# Altium PCB Copy of tsop_board.PcbDoc
Units mm, origin at the board's own origin, x right, y up, seen from the top; angles counter-clockwise.
Board outline 92 x 92 mm, 2 copper layers (Top Layer, Bottom Layer); 108 components, 73 nets, 302 pads, 11 vias.
Unrouted connection lines stored in the file: 77.
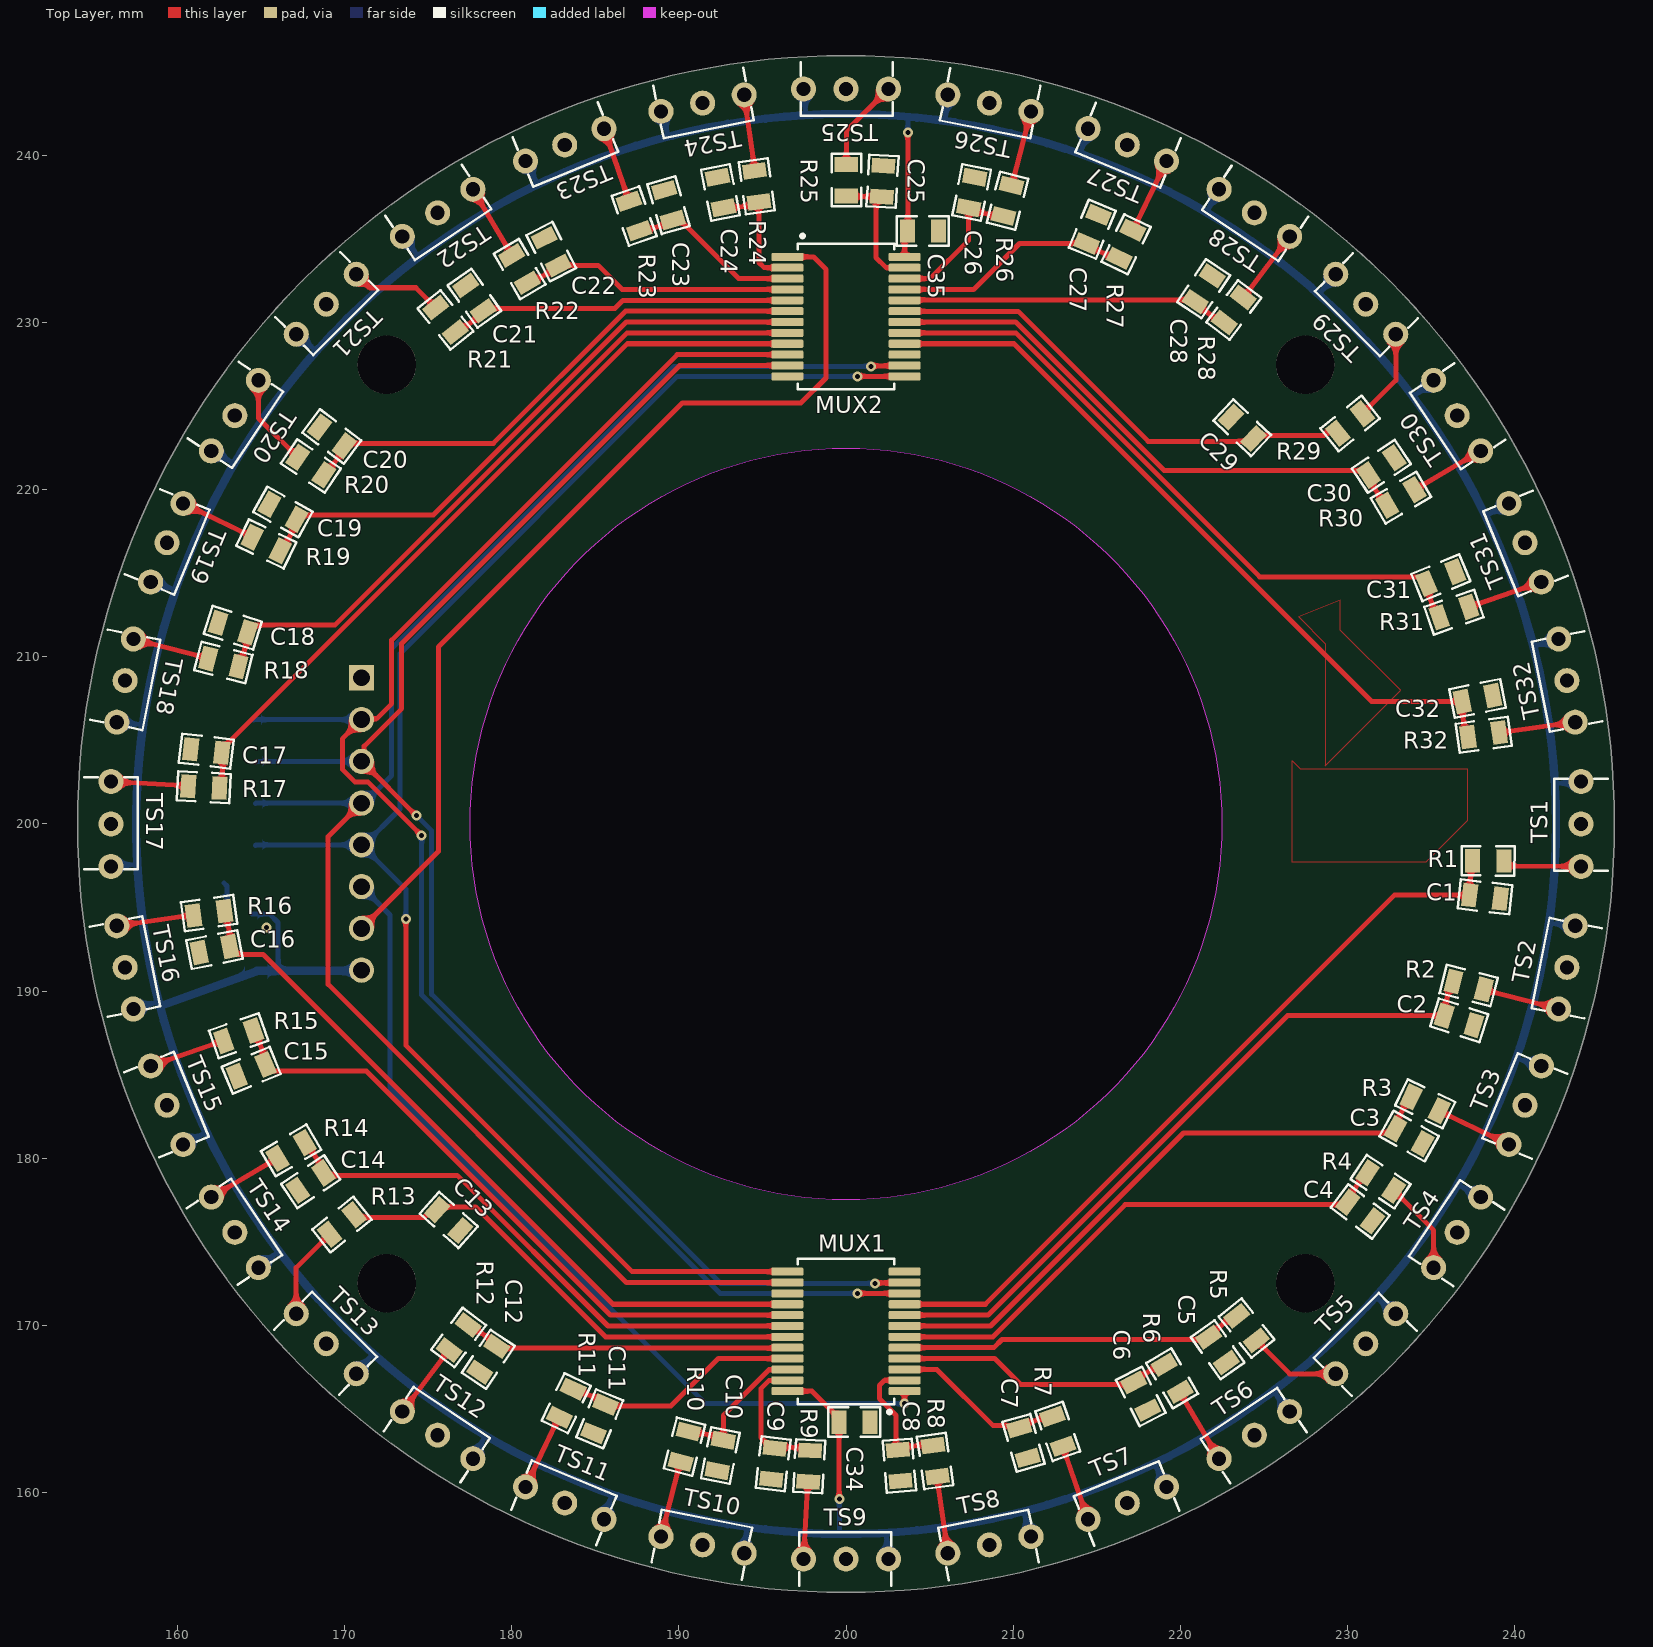
[diagram p0: Top Layer view]
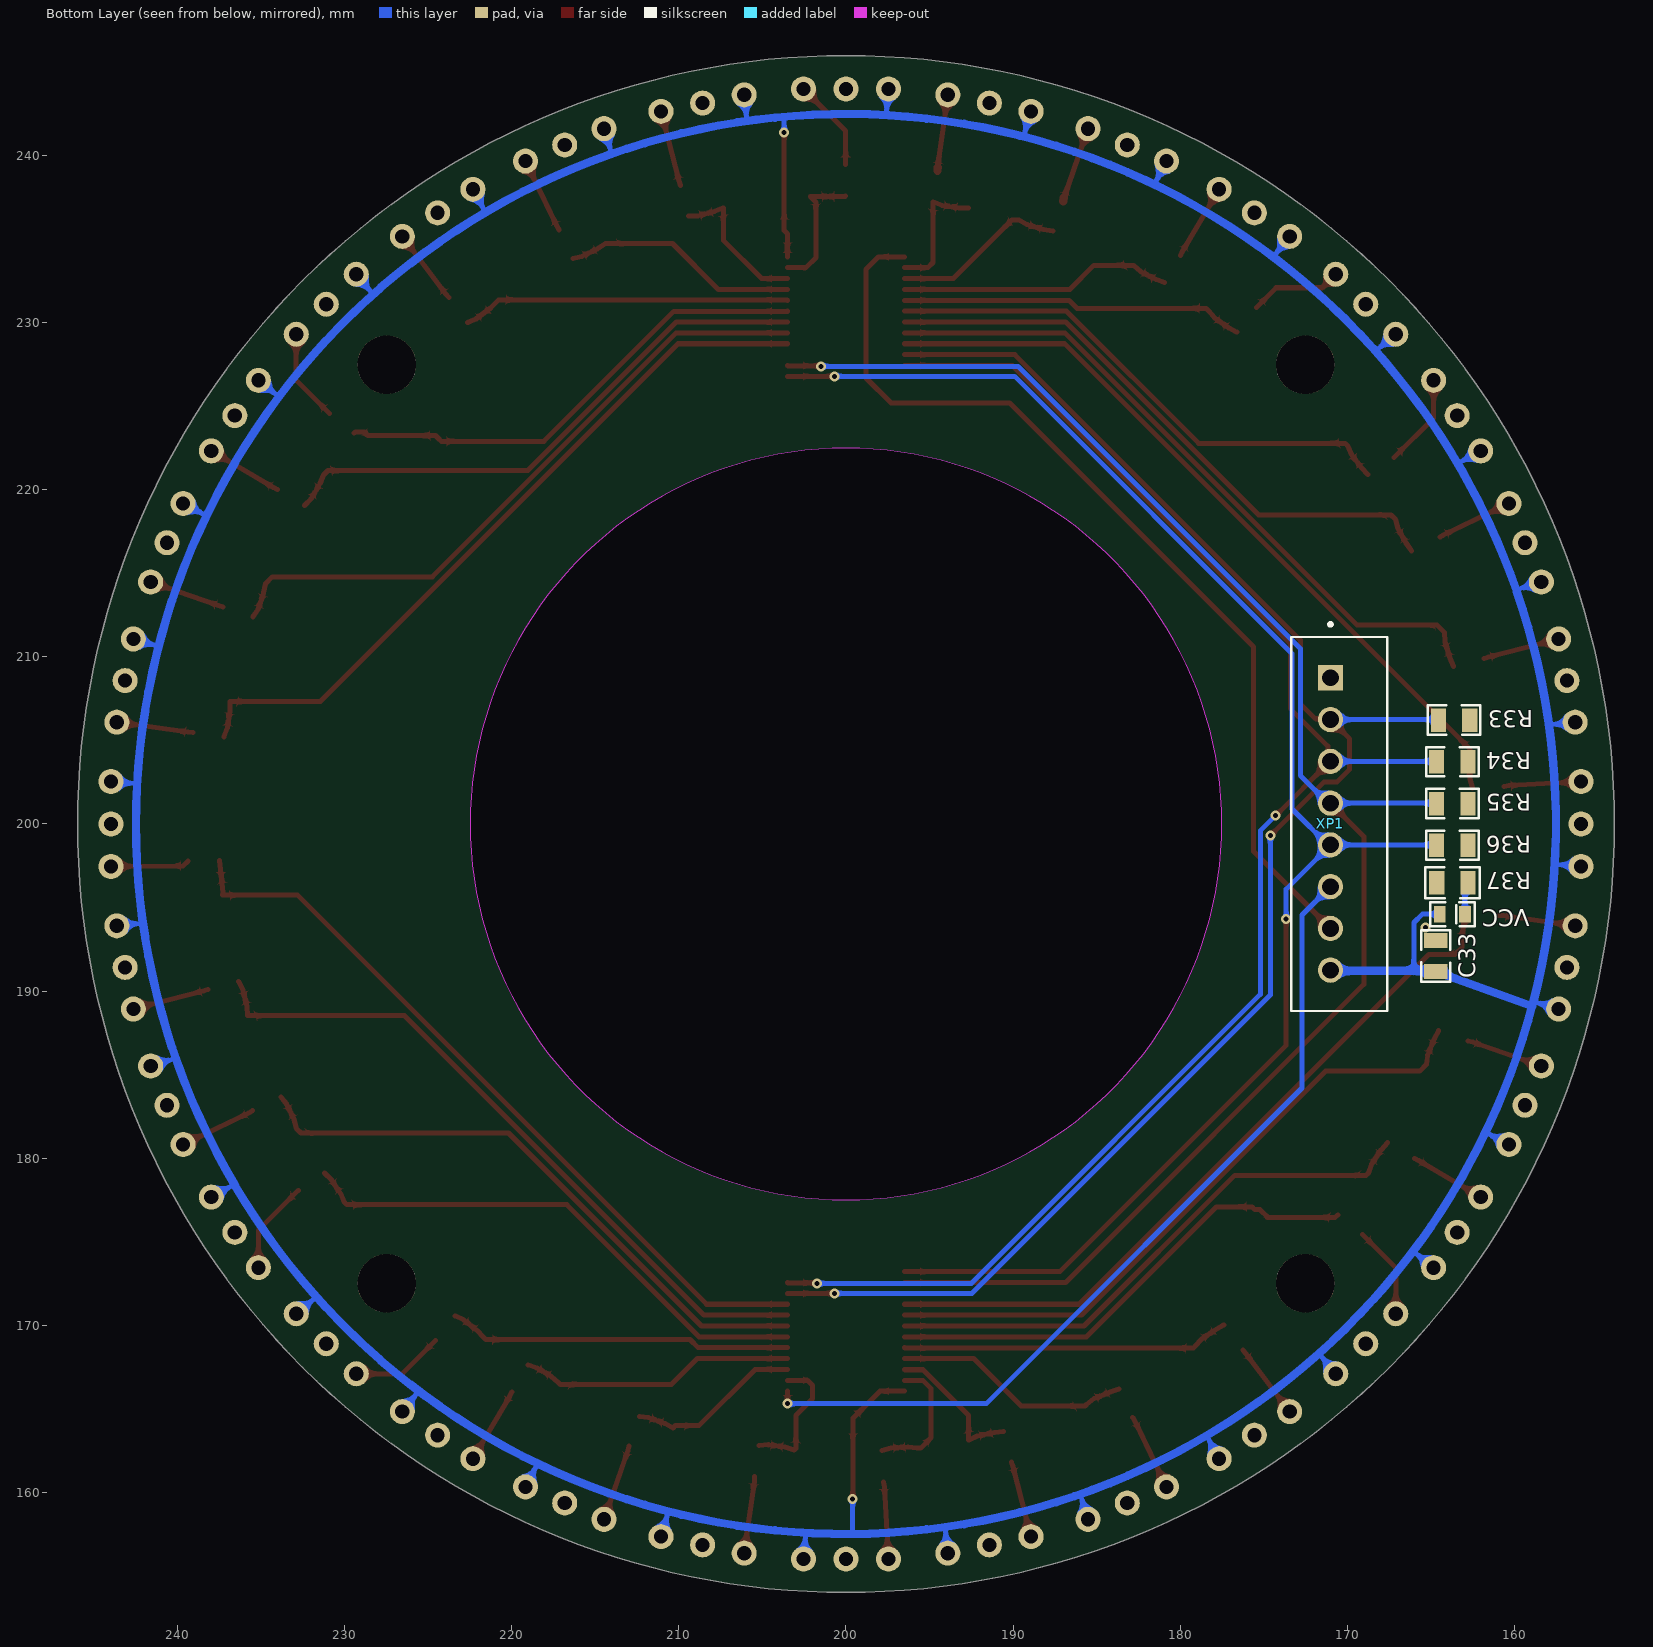
[diagram p1: Bottom Layer view, seen from below]

## Layer stack, top to bottom
Top Solder: solder mask 0.0102, Solder Resist, Dk 3.5
Top Layer: signal copper 0.0356
Dielectric 1: dielectric 0.32, FR-4, Dk 4.8
Bottom Layer: signal copper 0.0356
Bottom Solder: solder mask 0.0102, Solder Resist, Dk 3.5

## Board outline
200,154 cw(c200,200) 154,200 cw(c200,200) 200,246 cw(c200,200) 246,200 cw(c200,200)
cut-out: 200,177.5 cw(c200,200) 177.5,200 cw(c200,200) 200,222.5 cw(c200,200) 222.5,200 cw(c200,200)

## Design rules (kind name [scope] priority, off if disabled: settings)
BoardOutlineClearance [All] p1: gap=0.25 ignorepadtopadclearanceinfootprint=FALSE
Clearance Clearance_MultiLayerPad [OnLayer('Multi-Layer') and IsPad] p1: gap=0.25 ignorepadtopadclearanceinfootprint=FALSE except(0: Arc-Hole Track-Hole SMDPad-Hole THPad-Hole Via-Hole Fill-Hole Poly-Hole Region-Hole Text-Hole)
Clearance Clearance_Polygon [InPolygon] p2 off: gap=0.2 ignorepadtopadclearanceinfootprint=FALSE except(0: Arc-Hole Track-Hole SMDPad-Hole THPad-Hole Via-Hole Fill-Hole Poly-Hole Region-Hole Text-Hole)
Clearance [All] p3: gap=0.15 ignorepadtopadclearanceinfootprint=FALSE except(0: Arc-Hole Track-Hole SMDPad-Hole THPad-Hole Via-Hole Fill-Hole Poly-Hole Region-Hole Text-Hole)
ComponentClearance [All] p1 off: gap=0 collisioncheckmode=3 verticalgap=2540 showdistances=TRUE
Height [All] p1 off: minheight=0 maxheight=25.4 prefheight=12.7
HoleSize [All] p1: absolutevalues=TRUE maxlimit=6.3 minlimit=0.2 maxpercent=80.000 minpercent=20.000
HoleToHoleClearance HoleToHoleClearanceVia [IsVia vs IsVia] p1: gap=0.254 allowstackedmicrovias=TRUE
HoleToHoleClearance [All] p2: gap=0.5 allowstackedmicrovias=TRUE
MinimumAnnularRing MinimumAnnularRingVia [IsVia] p1: minimumring=0.15
MinimumAnnularRing [All] p2: minimumring=0.25
MinimumSolderMaskSliver [All] p1: minsoldermaskwidth=0.244
PlaneClearance [All] p1: clearance=0.5
PlaneConnect [All] p1: planeconnectstyle=Relief reliefexpansion=0.5 reliefentries=4 reliefconductorwidth=0.3 reliefairgap=0.2
PolygonConnect PolygonConnect_Power [InPadClass('power')] p1: connectstyle=Relief reliefconductorwidth=0.9 reliefentries=4 polygonreliefangle="90 Angle" airgapwidth=0.2
PolygonConnect [All] p2: thpad.connectstyle=Relief thpad.reliefconductorwidth=0.3 thpad.reliefentries=4 thpad.polygonreliefangle="90 Angle" thpad.airgapwidth=0.2 smdpad.connectstyle=Relief smdpad.reliefconductorwidth=0.3 smdpad.reliefentries=4 smdpad.polygonreliefangle="90 Angle" smdpad.airgapwidth=0.2 via.connectstyle=Direct via.reliefconductorwidth=0.3 via.reliefentries=4 via.polygonreliefangle="90 Angle" via.airgapwidth=0.2
RoutingVias [All] p1: holewidth=0.3 width=0.6 viastyle="Through Hole" minholewidth=0.3 minwidth=0.6 maxholewidth=0.5 maxwidth=1.5
SilkToSilkClearance [All] p1: silktosilkclearance=0.2
SilkToSolderMaskClearance [IsPad] p1: minsilkscreentomaskgap=0.15 clearancetoexposedcopper=TRUE
SolderMaskExpansion [All] p1: expansion=0.05 istentingtop=FALSE
UnRoutedNet [All] p1: checkbadconnections=TRUE
Width [All] p1: maxlimit=10 minlimit=0.15 preferedwidth=0.3
20 further rules are at their usual default settings.

## Components (designator, comment, footprint, x,y, rotation, side; value= is the part's Value field where it differs from the comment)
C1 "0.1uF" CAP0805 238.253,195.642 r173.5 top
C2 "0.1uF" CAP0805 236.705,188.251 r162.25 top
C3 "0.1uF" CAP0805 233.708,181.315 r151 top
C4 "0.1uF" CAP0805 230.779,176.806 r143 top
C5 "0.1uF" CAP0805 222.243,168.527 r125.25 top
C6 "0.1uF" CAP0805 217.646,165.737 r117.26 top
C7 "0.1uF" CAP0805 210.623,162.953 r106 top
C8 "0.1uF" CAP0805 203.191,161.592 r94.75 top
C9 "0.1uF" CAP0805 195.637,161.708 r83.5 top
C10 "0.1uF" CAP0805 192.481,162.201 r78.75 top
C11 "0.1uF" CAP0805 185.251,164.394 r67.5 top
C12 "0.1uF" CAP0805 178.588,167.955 r56.25 top
C13 "0.1uF" CAP0805 176.225,176.296 r138.09 top
C14 "0.1uF" CAP0805 167.955,178.588 r33.75 top
C15 "0.1uF" CAP0805 164.394,185.251 r22.5 top
C16 "0.1uF" CAP0805 162.201,192.481 r11.25 top
C17 "0.1uF" CAP0805 161.708,204.363 r353.5 top
C18 "0.1uF" CAP0805 163.295,211.749 r342.25 top
C19 "0.1uF" CAP0805 166.292,218.685 r331 top
C20 "0.1uF" CAP0805 169.221,223.194 r323 top
C21 "0.1uF" CAP0805 177.757,231.473 r305.25 top
C22 "0.1uF" CAP0805 182.354,234.263 r297.25 top
C23 "0.1uF" CAP0805 189.377,237.047 r286 top
C24 "0.1uF" CAP0805 192.481,237.799 r281.25 top
C25 "0.1uF" CAP0805 202.185,238.478 r266.75 top
C26 "0.1uF" CAP0805 207.519,237.799 r258.75 top
C27 "0.1uF" CAP0805 214.749,235.606 r247.5 top
C28 "0.1uF" CAP0805 221.412,232.045 r236.25 top
C29 "0.1uF" CAP0805 223.716,223.716 r316.59 top
C30 "0.1uF" CAP0805 232.045,221.412 r213.75 top
C31 "0.1uF" CAP0805 235.606,214.749 r202.5 top
C32 "0.1uF" CAP0805 237.799,207.519 r191.25 top
C33 "0.1uF" CAP0805 164.7,192.1 r270 bottom
C34 "0.1uF" CAP0805 200.5,164.2 r180 top
C35 "0.1uF" CAP0805 204.6,235.5 r180 top
MUX1 "CD74HC4067SM96" SSOP-24 200,169.5 r180 top
MUX2 "CD74HC4067SM96" SSOP-24 200,230.5 r0 top
R1 "10K" RES0805 238.438,197.817 r359.54 top
R2 "10K" RES0805 237.274,190.36 r345.5 top
R3 "10K" RES0805 234.677,183.274 r334.25 top
R4 "10K" RES0805 232.012,178.611 r326.25 top
R5 "10K" RES0805 223.992,169.838 r308.5 top
R6 "10K" RES0805 219.54,166.827 r300.47 top
R7 "10K" RES0805 212.693,163.653 r289.25 top
R8 "10K" RES0805 205.358,161.875 r278 top
R9 "10K" RES0805 197.817,161.562 r266.75 top
R10 "10K" RES0805 190.36,162.726 r255.5 top
R11 "10K" RES0805 183.274,165.323 r244.25 top
R12 "10K" RES0805 176.83,169.253 r233 top
R13 "10K" RES0805 169.838,176.008 r218.5 top
R14 "10K" RES0805 166.793,180.439 r210.5 top
R15 "10K" RES0805 163.653,187.307 r199.25 top
R16 "10K" RES0805 161.875,194.642 r188 top
R17 "10K" RES0805 161.562,202.183 r176.75 top
R18 "10K" RES0805 162.726,209.64 r165.5 top
R19 "10K" RES0805 165.287,216.744 r154.25 top
R20 "10K" RES0805 167.955,221.412 r146.25 top
R21 "10K" RES0805 176.008,230.162 r128.53 top
R22 "10K" RES0805 180.439,233.207 r120.5 top
R23 "10K" RES0805 187.294,236.385 r109.25 top
R24 "10K" RES0805 194.636,238.165 r98 top
R25 "10K" RES0805 200,238.54 r90 top
R26 "10K" RES0805 209.65,237.312 r75.5 top
R27 "10K" RES0805 216.744,234.713 r64.25 top
R28 "10K" RES0805 223.194,230.779 r53 top
R29 "10K" RES0805 230.162,223.992 r38.53 top
R30 "10K" RES0805 233.207,219.561 r30.5 top
R31 "10K" RES0805 236.385,212.706 r19.22 top
R32 "10K" RES0805 238.165,205.364 r8 top
R33 "10K" RES0805 163.6,206.2 r0 bottom
R34 "10K" RES0805 163.7,203.7 r0 bottom
R35 "10K" RES0805 163.7,201.2 r0 bottom
R36 "10K" RES0805 163.7,198.7 r0 bottom
R37 "4.7K" RES0805 163.7,196.5 r180 bottom
TS1 "TSSP58038" "TSSP58038 (clear)" 244,200 r90 top
TS2 "TSSP58038" "TSSP58038 (clear)" 243.155,191.416 r78.75 top
TS3 "TSSP58038" "TSSP58038 (clear)" 240.651,183.162 r67.5 top
TS4 "TSSP58038" "TSSP58038 (clear)" 236.585,175.555 r56.25 top
TS5 "TSSP58038" "TSSP58038 (clear)" 231.113,168.887 r45 top
TS6 "TSSP58038" "TSSP58038 (clear)" 224.445,163.415 r33.75 top
TS7 "TSSP58038" "TSSP58038 (clear)" 216.838,159.349 r22.5 top
TS8 "TSSP58038" "TSSP58038 (clear)" 208.584,156.845 r11.25 top
TS9 "TSSP58038" "TSSP58038 (clear)" 200,156 r0 top
TS10 "TSSP58038" "TSSP58038 (clear)" 191.416,156.845 r348.75 top
TS11 "TSSP58038" "TSSP58038 (clear)" 183.162,159.349 r337.5 top
TS12 "TSSP58038" "TSSP58038 (clear)" 175.555,163.415 r326.25 top
TS13 "TSSP58038" "TSSP58038 (clear)" 168.887,168.887 r315 top
TS14 "TSSP58038" "TSSP58038 (clear)" 163.415,175.555 r303.75 top
TS15 "TSSP58038" "TSSP58038 (clear)" 159.349,183.162 r292.5 top
TS16 "TSSP58038" "TSSP58038 (clear)" 156.845,191.416 r281.25 top
TS17 "TSSP58038" "TSSP58038 (clear)" 156,200 r270 top
TS18 "TSSP58038" "TSSP58038 (clear)" 156.845,208.584 r258.75 top
TS19 "TSSP58038" "TSSP58038 (clear)" 159.349,216.838 r247.5 top
TS20 "TSSP58038" "TSSP58038 (clear)" 163.415,224.445 r236.25 top
TS21 "TSSP58038" "TSSP58038 (clear)" 168.887,231.113 r225 top
TS22 "TSSP58038" "TSSP58038 (clear)" 175.555,236.585 r213.75 top
TS23 "TSSP58038" "TSSP58038 (clear)" 183.162,240.651 r202.5 top
TS24 "TSSP58038" "TSSP58038 (clear)" 191.416,243.155 r191.25 top
TS25 "TSSP58038" "TSSP58038 (clear)" 200,244 r180 top
TS26 "TSSP58038" "TSSP58038 (clear)" 208.584,243.155 r168.75 top
TS27 "TSSP58038" "TSSP58038 (clear)" 216.838,240.651 r157.5 top
TS28 "TSSP58038" "TSSP58038 (clear)" 224.445,236.585 r146.25 top
TS29 "TSSP58038" "TSSP58038 (clear)" 231.113,231.113 r135 top
TS30 "TSSP58038" "TSSP58038 (clear)" 236.585,224.445 r123.75 top
TS31 "TSSP58038" "TSSP58038 (clear)" 240.651,216.838 r112.5 top
TS32 "TSSP58038" "TSSP58038 (clear)" 243.155,208.584 r101.25 top
VCC "12V" LED0603_GREEN 163.7,194.6 r0 bottom (schematic designator HL1)
XP1 "TSOP Board" JST_XH-8 170.983,200 r270 bottom

## Footprints (in the part's own frame and the unit in brackets; to place one, negate y for a bottom-side part, rotate by r counter-clockwise, add the part's x,y. Pads: shape width x height; smd on the part's side, far side on the other; paste and mask are expansions set on the pad)
CAP0805 [mm] "SMD ceramic capacitor 0805"
  rect 0.9x1.397 smd: 1(-0.929,0.006) 2(0.931,0.006)
  silkscreen extent -1.55,-0.88 1.55,0.88, body extent -1,-0.63 1,0.62, height 1.24
JST_XH-8 [mm] "JST_B8B-XH-A(LF)(SN)"
  rect 1.508x1.508 hole 1: 1(-8.75,-0.017)
  round 1.508 hole 1: 2(-6.25,-0.017) 3(-3.75,-0.017) 4(-1.25,-0.017) 5(1.25,-0.017) 6(3.75,-0.017) 7(6.25,-0.017) 8(8.75,-0.017)
  silkscreen extent -12.05,-2.37 11.2,3.38, body extent -11.2,-2.37 11.2,3.38, height 7
LED0603_GREEN [mm] "Green SMD LED"
  rect 0.7x1 smd: 1(-0.75,0) 2(0.75,0)
  silkscreen extent -1.33,-0.73 1.33,0.73, body extent -0.8,-0.4 0.8,0.4, height 0.6
RES0805 [mm] "SMD resistor 0805"
  rect 0.9x1.397 smd: 1(-0.938,-0.02) 2(0.942,-0.02)
  silkscreen extent -1.58,-0.9 1.58,0.85, body extent -1,-0.63 1,0.62, height 0.5
SSOP-24 [mm] "CD74HC4067SM96"
  rrect25% 1.9x0.48 smd: 1(-3.505,3.448) 2(-3.505,2.798) 3(-3.505,2.148) 4(-3.505,1.498) 5(-3.505,0.848) 6(-3.505,0.198) 7(-3.505,-0.452) 8(-3.505,-1.102) 9(-3.505,-1.752) 10(-3.505,-2.402) 11(-3.505,-3.052) 12(-3.505,-3.702) 13(3.505,-3.702) 14(3.505,-3.052) 15(3.505,-2.402) 16(3.505,-1.752) 17(3.505,-1.102) 18(3.505,-0.452) 19(3.505,0.198) 20(3.505,0.848) 21(3.505,1.498) 22(3.505,2.148) 23(3.505,2.798) 24(3.505,3.448)
  silkscreen extent -2.9,-4.48 2.9,4.8, body extent -3.9,-4.29 3.9,3.91, height 2
"TSSP58038 (clear)" [mm]
  round 1.5 hole 0.85: 1(2.54,0) 2(0,0) 3(-2.54,0)
  silkscreen extent -2.8,-1.6 2.7,1.6, body extent -2.58,-3.4 2.5,1.4, height 12

## Part data
C1 C2 C3 C4 C5 C6 C7 C8 C9 C10 C11 C12 C13 C14 C15 C16 C17 C18 C19 C20 C21 C22 C23 C24 C25 C26 C27 C28 C29 C30 C31 C32 C33 C34 C35: library part "CAP Ceramic", "Ceramic SMD Cap"
MUX1 MUX2: "16-channel multiplexer", ComponentLink1Description=Chipdip, ComponentLink1URL=https://www.chipdip.ru/product0/8016170563
R1 R2 R3 R4 R5 R6 R7 R8 R9 R10 R11 R12 R13 R14 R15 R16 R17 R18 R19 R20 R21 R22 R23 R24 R25 R26 R27 R28 R29 R30 R31 R32 R33 R34 R35 R36 R37: library part RES, "RES smd"
TS1 TS2 TS3 TS4 TS5 TS6 TS7 TS8 TS9 TS10 TS11 TS12 TS13 TS14 TS15 TS16 TS17 TS18 TS19 TS20 TS21 TS22 TS23 TS24 TS25 TS26 TS27 TS28 TS29 TS30 TS31 TS32: "TSOP TSSP58038"
VCC: library part LED, "LED smd"
XP1: library part JST-XH-8, "JST_B8B-XH-A(LF)(SN)"

## Free pads (board coordinates)
  round 3.5 hole 3.5: 1(172.509,172.509) 1(172.509,227.491) 1(227.491,172.509) 1(227.491,227.491)

## Via types
v1: diameter 0.6, hole 0.3, Top Layer to Bottom Layer, tented both sides, 10 vias
v2: diameter 0.6, hole 0.3, Top Layer to Bottom Layer, tented top, 1 vias

## Nets (pads, with @x,y where several pads share a name; then routed paths per layer and width w, separated by ;. In a path a pad name is that pad's centre, name@x,y a point inside that pad or via, vN(x,y) a via of type N, cw(c..) or ccw(c..) an arc to the next point about the centre after c; other vN are vias at no path point)
GND: C1.1 C2.1 C3.1 C4.1 C5.1 C6.1 C7.1 C8.1 C9.1 C10.1 C11.1 C12.1 C13.1 C14.1 C15.1 C16.1 C17.1 C18.1 C19.1 C20.1 C21.1 C22.1 C23.1 C24.1 C25.1 C26.1 C27.1 C28.1 C29.1 C30.1 C31.1 C32.1 C33.1 C34.1 C35.1 MUX1.12 MUX1.15 MUX2.12 MUX2.15 R33.1 R34.1 R35.1 R36.1 R37.1 TS1.2 TS2.2 TS3.2 TS4.2 TS5.2 TS6.2 TS7.2 TS8.2 TS9.2 TS10.2 TS11.2 TS12.2 TS13.2 TS14.2 TS15.2 TS16.2 TS17.2 TS18.2 TS19.2 TS20.2 TS21.2 TS22.2 TS23.2 TS24.2 TS25.2 TS26.2 TS27.2 TS28.2 TS29.2 TS30.2 TS31.2 TS32.2 XP1.1
  other v2: 165.3,193.8
IN1: MUX1.10 MUX2.10 R33.2 XP1.2 | length 98.9
  Top Layer w0.3: v1(174.6,199.3) 171.4,202.5 170.618,202.5 169.846,203.272 169.846,205.096 171.054,206.304 171.904,206.304 172.8,207.2 172.8,211 189.898,228.098 MUX2.10 ; v1(200.7,171.899) 203.502,171.899 MUX1.10
  Bottom Layer w0.3: R33.2 164.572,206.25 XP1.2 ; v1(174.6,199.3) 174.6,189.764 192.464,171.899 v1(200.7,171.899)
IN2: MUX1.11 MUX2.11 R34.2 XP1.3 | length 95.6
  Top Layer w0.3: v1(174.3,200.5) 174.275,200.5 171.025,203.75 XP1.3 171.154,203.904 171.154,204.654 173.4,206.9 173.4,210.8 190.048,227.448 MUX2.11 ; v1(201.734,172.499) 201.76,172.526 203.479,172.526 MUX1.11
  Bottom Layer w0.3: R34.2 164.672,203.75 XP1.3 ; v1(174.3,200.5) 175.2,199.6 175.2,189.8 192.501,172.499 v1(201.734,172.499)
IN3: MUX1.14 MUX2.14 R35.2 XP1.4 | length 100.8
  Top Layer w0.3: XP1.4 169,199.25 169,190.4 186.848,172.552 MUX1.14 ; v1(201.5,227.4) 201.524,227.424 203.481,227.424 MUX2.14
  Bottom Layer w0.3: R35.2 164.672,201.25 XP1.4 ; XP1.4@171,201.1 172.8,202.9 172.8,210.5 189.7,227.4 v1(201.5,227.4)
IN4: MUX1.13 MUX2.13 R36.2 XP1.5 | length 97.5
  Top Layer w0.3: v1(173.65,194.31) 173.65,186.75 187.198,173.202 MUX1.13 ; v1(200.7,226.8) 200.702,226.798 MUX2.13
  Bottom Layer w0.3: R36.2 164.672,198.75 XP1.5 XP1.5@171.075,198.675 ; v1(173.65,194.31) 173.65,196.1 XP1.5@171.075,198.675 ; v1(200.7,226.8) 189.9,226.8 173.3,210.2 173.3,200.9 XP1.5@171.075,198.675
NetHL1_1: R37.2 VCC.1 | length 2
  Bottom Layer w0.3: R37.2 162.95,196.288 VCC.1
NetR1_2: R1.2 TS1.3 | length 4.7
  Top Layer w0.3: R1.2 239.678,197.495 TS1.3
NetR2_2: R2.2 TS2.3 | length 4.6
  Top Layer w0.3: R2.2 238.466,190.009 TS2.3
NetR3_2: R3.2 TS3.3 | length 4.6
  Top Layer w0.3: R3.2 235.778,182.697 TS3.3
NetR4_2: R4.2 TS4.3 | length 5.6
  Top Layer w0.3: R4.2 235.174,175.681 TS4.3
NetR5_2: R5.2 TS5.3 | length 5.6
  Top Layer w0.3: R5.2 226.56,167.091 TS5.3
NetR6_2: R6.2 TS6.3 | length 4.6
  Top Layer w0.3: R6.2 220.137,165.737 TS6.3
NetR7_2: R7.2 TS7.3 | length 4.6
  Top Layer w0.3: R7.2 213.064,162.466 TS7.3
NetR8_2: R8.2 TS8.3 | length 4.6
  Top Layer w0.3: R8.2 205.49,160.639 TS8.3
NetR9_2: R9.2 TS9.3 | length 4.6
  Top Layer w0.3: TS9.3 197.706,160.324 R9.2
NetR10_2: R10.2 TS10.3 | length 4.6
  Top Layer w0.3: TS10.3 190.009,161.534 R10.2
NetR11_2: R11.2 TS11.3 | length 4.6
  Top Layer w0.3: TS11.3 182.697,164.222 R11.2
NetR12_2: R12.2 TS12.3 | length 4.6
  Top Layer w0.3: TS12.3 176.049,168.285 R12.2
NetR13_2: R13.2 TS13.3 | length 5.6
  Top Layer w0.3: TS13.3 167.091,173.44 R13.2
NetR14_2: R14.2 TS14.3 | length 4.6
  Top Layer w0.3: TS14.3 165.701,179.845 R14.2
NetR15_2: R15.2 TS15.3 | length 4.6
  Top Layer w0.3: TS15.3 162.466,186.936 R15.2
NetR16_2: R16.2 TS16.3 | length 4.6
  Top Layer w0.3: TS16.3 160.639,194.51 R16.2
NetR17_2: R17.2 TS17.3 | length 4.6
  Top Layer w0.3: TS17.3 160.324,202.294 R17.2
NetR18_2: R18.2 TS18.3 | length 4.6
  Top Layer w0.3: TS18.3 161.534,209.991 R18.2
NetR19_2: R19.2 TS19.3 | length 4.6
  Top Layer w0.3: TS19.3 164.276,217.277 R19.2
NetR20_2: R20.2 TS20.3 | length 5.6
  Top Layer w0.3: TS20.3 164.826,224.308 R20.2
NetR21_2: R21.2 TS21.3 | length 5.6
  Top Layer w0.3: TS21.3 171.492,232.1 174.249,232.1 R21.2
NetR22_2: R22.2 TS22.3 | length 4.6
  Top Layer w0.3: TS22.3 179.895,234.212 R22.2
NetR23_2: R23.2 TS23.3 | length 4.6
  Top Layer w0.3: TS23.3 R23.2@186.956,237.477
  Top Layer w0.5: R23.2@186.956,237.477 R23.2
NetR24_2: R24.2 TS24.3 | length 4.6
  Top Layer w0.3: TS24.3 R24.2@194.518,239.302
  Top Layer w0.5: R24.2@194.518,239.302 R24.2
NetR25_2: R25.2 TS25.3 | length 5.6
  Top Layer w0.3: R25.2 200.02,241.48 TS25.3
NetR26_2: R26.2 TS26.3 | length 4.6
  Top Layer w0.3: R26.2 210.001,238.505 TS26.3
NetR27_2: R27.2 TS27.3 | length 4.6
  Top Layer w0.3: R27.2 217.321,235.814 TS27.3
NetR28_2: R28.2 TS28.3 | length 4.6
  Top Layer w0.3: R28.2 223.975,231.747 TS28.3
NetR29_2: R29.2 TS29.3 | length 5.6
  Top Layer w0.3: R29.2 232.909,226.56 TS29.3
NetR30_2: R30.2 TS30.3 | length 4.6
  Top Layer w0.3: R30.2 234.299,220.155 TS30.3
NetR31_2: R31.2 TS31.3 | length 4.6
  Top Layer w0.3: R31.2 237.571,213.079 TS31.3
NetR32_2: R32.2 TS32.3 | length 4.6
  Top Layer w0.3: R32.2 239.401,205.496 TS32.3
OUT1: MUX1.1 XP1.6 | length 52.1
  Top Layer w0.3: v1(203.5,165.3) 203.5,166.047 MUX1.1
  Bottom Layer w0.3: XP1.6 172.7,194.55 172.7,184.2 191.6,165.3 v1(203.5,165.3)
OUT2: MUX2.1 XP1.7 | length 57.7
  Top Layer w0.3: XP1.7 175.6,198.35 175.6,210.6 190.2,225.2 197.3,225.2 198.8,226.7 198.8,233.2 198.052,233.948 MUX2.1
TSOP_1: C1.2 MUX1.9 R1.1 | length 46
  Top Layer w0.3: MUX1.9 208.338,171.252 232.827,195.741 C1.2 237.283,195.901 R1.1
TSOP_2: C2.2 MUX1.8 R2.1 | length 41.9
  Top Layer w0.3: MUX1.8 208.502,170.602 226.429,188.529 C2.2 235.854,189.093 236.108,190.074 R2.1
TSOP_3: C3.2 MUX1.7 R3.1 | length 36.4
  Top Layer w0.3: MUX1.7 208.652,169.952 220.2,181.5 232.629,181.5 C3.2 233.037,182.307 233.478,183.221 R3.1
TSOP_4: C4.2 MUX1.6 R4.1 | length 32
  Top Layer w0.3: MUX1.6 208.802,169.302 216.712,177.212 229.883,177.212 C4.2 230.254,177.882 230.817,178.725 R4.1
TSOP_5: C5.2 MUX1.5 R5.1 | length 20.6
  Top Layer w0.3: MUX1.5 208.852,168.652 209.34,169.14 221.558,169.14 C5.2 222.087,169.687 222.882,170.32 R5.1
TSOP_6: C6.2 MUX1.4 R6.1 | length 16.5
  Top Layer w0.3: MUX1.4 208.898,168.002 210.452,166.448 217.101,166.448 C6.2 217.64,166.934 218.515,167.448 R6.1
TSOP_7: C7.2 MUX1.3 R7.1 | length 10.4
  Top Layer w0.3: MUX1.3 205.438,167.352 208.79,164 210.207,164 C7.2 210.85,164.128 211.808,164.463 R7.1
TSOP_8: C8.2 MUX1.2 R8.1 | length 8.1
  Top Layer w0.3: MUX1.2 202.302,166.702 202,166.4 202,165.6 202.997,164.603 202.997,162.631 C8.2 203.644,162.701 204.648,162.842 R8.1
TSOP_9: C9.2 MUX1.23 R9.1 | length 8
  Top Layer w0.3: MUX1.23 195.402,166.702 194.9,166.2 194.9,163.265 195.532,162.633 C9.2 196.297,162.707 197.309,162.649 R9.1
TSOP_10: C10.2 MUX1.22 R10.1 | length 8.6
  Top Layer w0.3: R10.1 191.124,163.569 192.148,163.365 C10.2 192.657,164.593 195.395,167.331 196.474,167.331 MUX1.22
TSOP_11: C11.2 MUX1.21 R11.1 | length 14.3
  Top Layer w0.3: R11.1 184.187,166.001 185.151,165.601 C11.2 185.697,165.161 189.516,165.161 192.357,168.002 MUX1.21
TSOP_12: C12.2 MUX1.20 R12.1 | length 19.6
  Top Layer w0.3: R12.1 177.858,169.739 178.726,169.159 C12.2 179.21,168.623 196.466,168.623 MUX1.20
TSOP_13: C13.2 MUX1.19 R13.1 | length 29.5
  Top Layer w0.3: R13.1 170.714,176.453 174.756,176.453 175.216,176.913 C13.2 175.694,177.079 177.821,177.079 185.598,169.302 MUX1.19
TSOP_14: C14.2 MUX1.18 R14.1 | length 33.7
  Top Layer w0.3: R14.1 167.954,180.511 168.534,179.642 C14.2 168.864,178.972 176.728,178.972 185.748,169.952 MUX1.18
TSOP_15: C15.2 MUX1.17 R15.1 | length 39.6
  Top Layer w0.3: R15.1 164.778,187.14 165.177,186.176 C15.2 165.662,185.202 165.958,185.202 165.96,185.2 171.3,185.2 185.898,170.602 MUX1.17
TSOP_16: C16.2 MUX1.16 R16.1 | length 44.4
  Top Layer w0.3: R16.1 162.945,194.259 163.149,193.235 C16.2 163.112,192.628 163.54,192.2 165.1,192.2 186.048,171.252 MUX1.16
TSOP_17: C17.2 MUX2.9 R17.1 | length 46.3
  Top Layer w0.3: R17.1 162.649,202.691 162.707,203.703 C17.2 162.633,204.468 186.913,228.748 MUX2.9
TSOP_18: C18.2 MUX2.8 R18.1 | length 41.9
  Top Layer w0.3: R18.1 163.843,209.938 164.152,210.905 C18.2 164.612,211.9 169.4,211.9 186.898,229.398 MUX2.8
TSOP_19: C19.2 MUX2.7 R19.1 | length 36.4
  Top Layer w0.3: R19.1 166.467,216.806 166.959,217.694 C19.2 167.371,218.5 175.3,218.5 186.848,230.048 MUX2.7
TSOP_20: C20.2 MUX2.6 R20.1 | length 32
  Top Layer w0.3: R20.1 169.132,221.309 169.744,222.121 C20.2 170.117,222.788 178.888,222.788 186.798,230.698 MUX2.6
TSOP_21: C21.2 MUX2.5 R21.1 | length 20.6
  Top Layer w0.3: R21.1 177.099,229.705 177.928,230.291 C21.2 178.442,230.86 186.16,230.86 186.648,231.348 MUX2.5
TSOP_22: C22.2 MUX2.4 R22.1 | length 16.4
  Top Layer w0.3: R22.1 181.455,232.604 182.358,233.069 C22.2 185.162,233.438 186.602,231.998 MUX2.4
TSOP_23: C23.2 MUX2.3 R23.1 | length 10.4
  Top Layer w0.3: R23.1 188.172,235.595 189.149,235.875 C23.2 190.072,236.154 193.578,232.648 MUX2.3
TSOP_24: C24.2 MUX2.2 R24.1 | length 7.6
  Top Layer w0.3: C24.2 193.228,236.886 194.262,237.032 R24.1 194.787,233.613 195.102,233.298 MUX2.2
TSOP_25: C25.2 MUX2.23 R25.1 | length 7.9
  Top Layer w0.3: R25.1 200.06,237.562 202.124,237.562 C25.2 201.8,237.21 201.8,233.9 202.402,233.298 MUX2.23
TSOP_26: C26.2 MUX2.22 R26.1 | length 8.9
  Top Layer w0.3: MUX2.22 205.048,232.648 207.343,234.943 C26.2 207.859,236.67 208.87,236.409 R26.1
TSOP_27: C27.2 MUX2.21 R27.1 | length 14.2
  Top Layer w0.3: MUX2.21 207.643,231.998 210.389,234.744 C27.2 214.862,234.432 215.803,233.979 R27.1
TSOP_28: C28.2 MUX2.20 R28.1 | length 19.6
  Top Layer w0.3: MUX2.20 203.534,231.377 220.79,231.377 C28.2 221.294,230.871 222.128,230.243 R28.1
TSOP_29: C29.2 MUX2.19 R29.1 | length 29.4
  Top Layer w0.3: MUX2.19 203.51,230.693 210.307,230.693 218.09,222.91 224.226,222.91 C29.2 224.568,223.252 228.625,223.252 228.837,223.464 229.369,223.464 R29.1
TSOP_30: C30.2 MUX2.18 R30.1 | length 33.7
  Top Layer w0.3: MUX2.18 210.152,230.048 219.042,221.158 231.005,221.158 C30.2 231.487,220.372 232.017,219.473 R30.1
TSOP_31: C31.2 MUX2.17 R31.1 | length 39.6
  Top Layer w0.3: MUX2.17 210.166,229.398 224.764,214.8 234.04,214.8 234.042,214.798 234.338,214.798 C31.2 234.856,213.838 235.2,212.852 R31.1
TSOP_32: C32.2 MUX2.16 R32.1 | length 44.4
  Top Layer w0.3: MUX2.16 210.052,228.748 231.469,207.331 C32.2 236.886,206.772 237.032,205.738 R32.1
VCC: C33.2 C34.2 C35.2 MUX1.24 MUX2.24 TS1.1 TS2.1 TS3.1 TS4.1 TS5.1 TS6.1 TS7.1 TS8.1 TS9.1 TS10.1 TS11.1 TS12.1 TS13.1 TS14.1 TS15.1 TS16.1 TS17.1 TS18.1 TS19.1 TS20.1 TS21.1 TS22.1 TS23.1 TS24.1 TS25.1 TS26.1 TS27.1 TS28.1 TS29.1 TS30.1 TS31.1 TS32.1 VCC.2 XP1.8 | length 347.8
  Top Layer w0.3: MUX1.24 197.96,166.052 199.569,164.442 C34.2 199.585,164.178 199.585,159.615 v1(199.6,159.6) ; MUX2.24 203.505,235.33 C35.2 203.7,235.525 v1(203.7,241.4)
  Bottom Layer w0.3: TS17.1 157.369,197.579 ; TS18.1 157.716,205.943 ; TS16.1 158.658,189.316 ; TS19.1 159.687,214.078 ; TS15.1 161.54,181.449 ; TS20.1 163.208,221.672 ; VCC.2 165.5,194.6 166,194.1 166,191.209 ; TS14.1 165.898,174.302 ; TS21.1 168.302,228.311 168.306,228.307 ; TS13.1 171.696,168.297 171.699,168.301 ; TS22.1 174.302,234.102 ; TS12.1 178.328,163.208 ; TS23.1 181.449,238.46 ; TS11.1 185.922,159.687 ; TS24.1 189.309,241.34 ; TS10.1 194.057,157.716 ; TS25.1 197.579,242.631 ; 199.6,157.5 v1(199.6,159.6) ; 202.421,157.369 TS9.1 ; v1(203.7,241.4) 203.7,242.405 ; 205.943,242.284 TS26.1 ; 210.691,158.66 TS8.1 ; 214.078,240.313 TS27.1 ; 218.551,161.54 TS7.1 ; 221.672,236.792 TS28.1 ; 225.698,165.898 TS6.1 ; 228.433,231.857 TS29.1 ; 231.857,171.567 TS5.1 ; 234.102,225.697 TS30.1 ; 236.792,178.328 TS4.1 ; 238.46,218.551 TS31.1 ; 240.313,185.922 TS3.1 ; 241.34,210.691 TS32.1 ; 242.284,194.057 TS2.1 ; 242.631,202.421 TS1.1
  Bottom Layer w0.5: 158.923,189.093 164.694,191.17 164.735,191.209 166,191.209 170.96,191.209 XP1.8 ; 242.5,200 ccw(c200,200) 242.5,200

## Polygon pours and split planes (outlines as drawn)
IN2 on Top Layer "IN2_L01_P003" (solid, remove dead copper, pour order 3): 227.1,212.4 228.7,210.8 228.7,203.5 233.2,208 229.6,211.6 229.6,213.4
GND on Top Layer "GND_L01_P004" (solid, remove dead copper, pour order 4): 226.7,203.8 227.2,203.3 237.2,203.3 237.2,200.2 234.7,197.7 226.7,197.7

## Silkscreen, mask and mechanical layers (free items; w line width, h text height)
Outline:
  lines w0.1: 154,200 cw(c200,200) 200,246 cw(c200,200) 246,200 cw(c200,200) 200,154 cw(c200,200) 154,200 ; 177.5,200 cw(c200,200) 200,222.5 cw(c200,200) 222.5,200 cw(c200,200) 200,177.5 cw(c200,200) 177.5,200
Mechanical 9:
  circle w0.1: c200,200 r22.5